# Allegro board RK_EXCAVATOR_MAIN_V12_20161114_FZBFINAL.brd (continued)
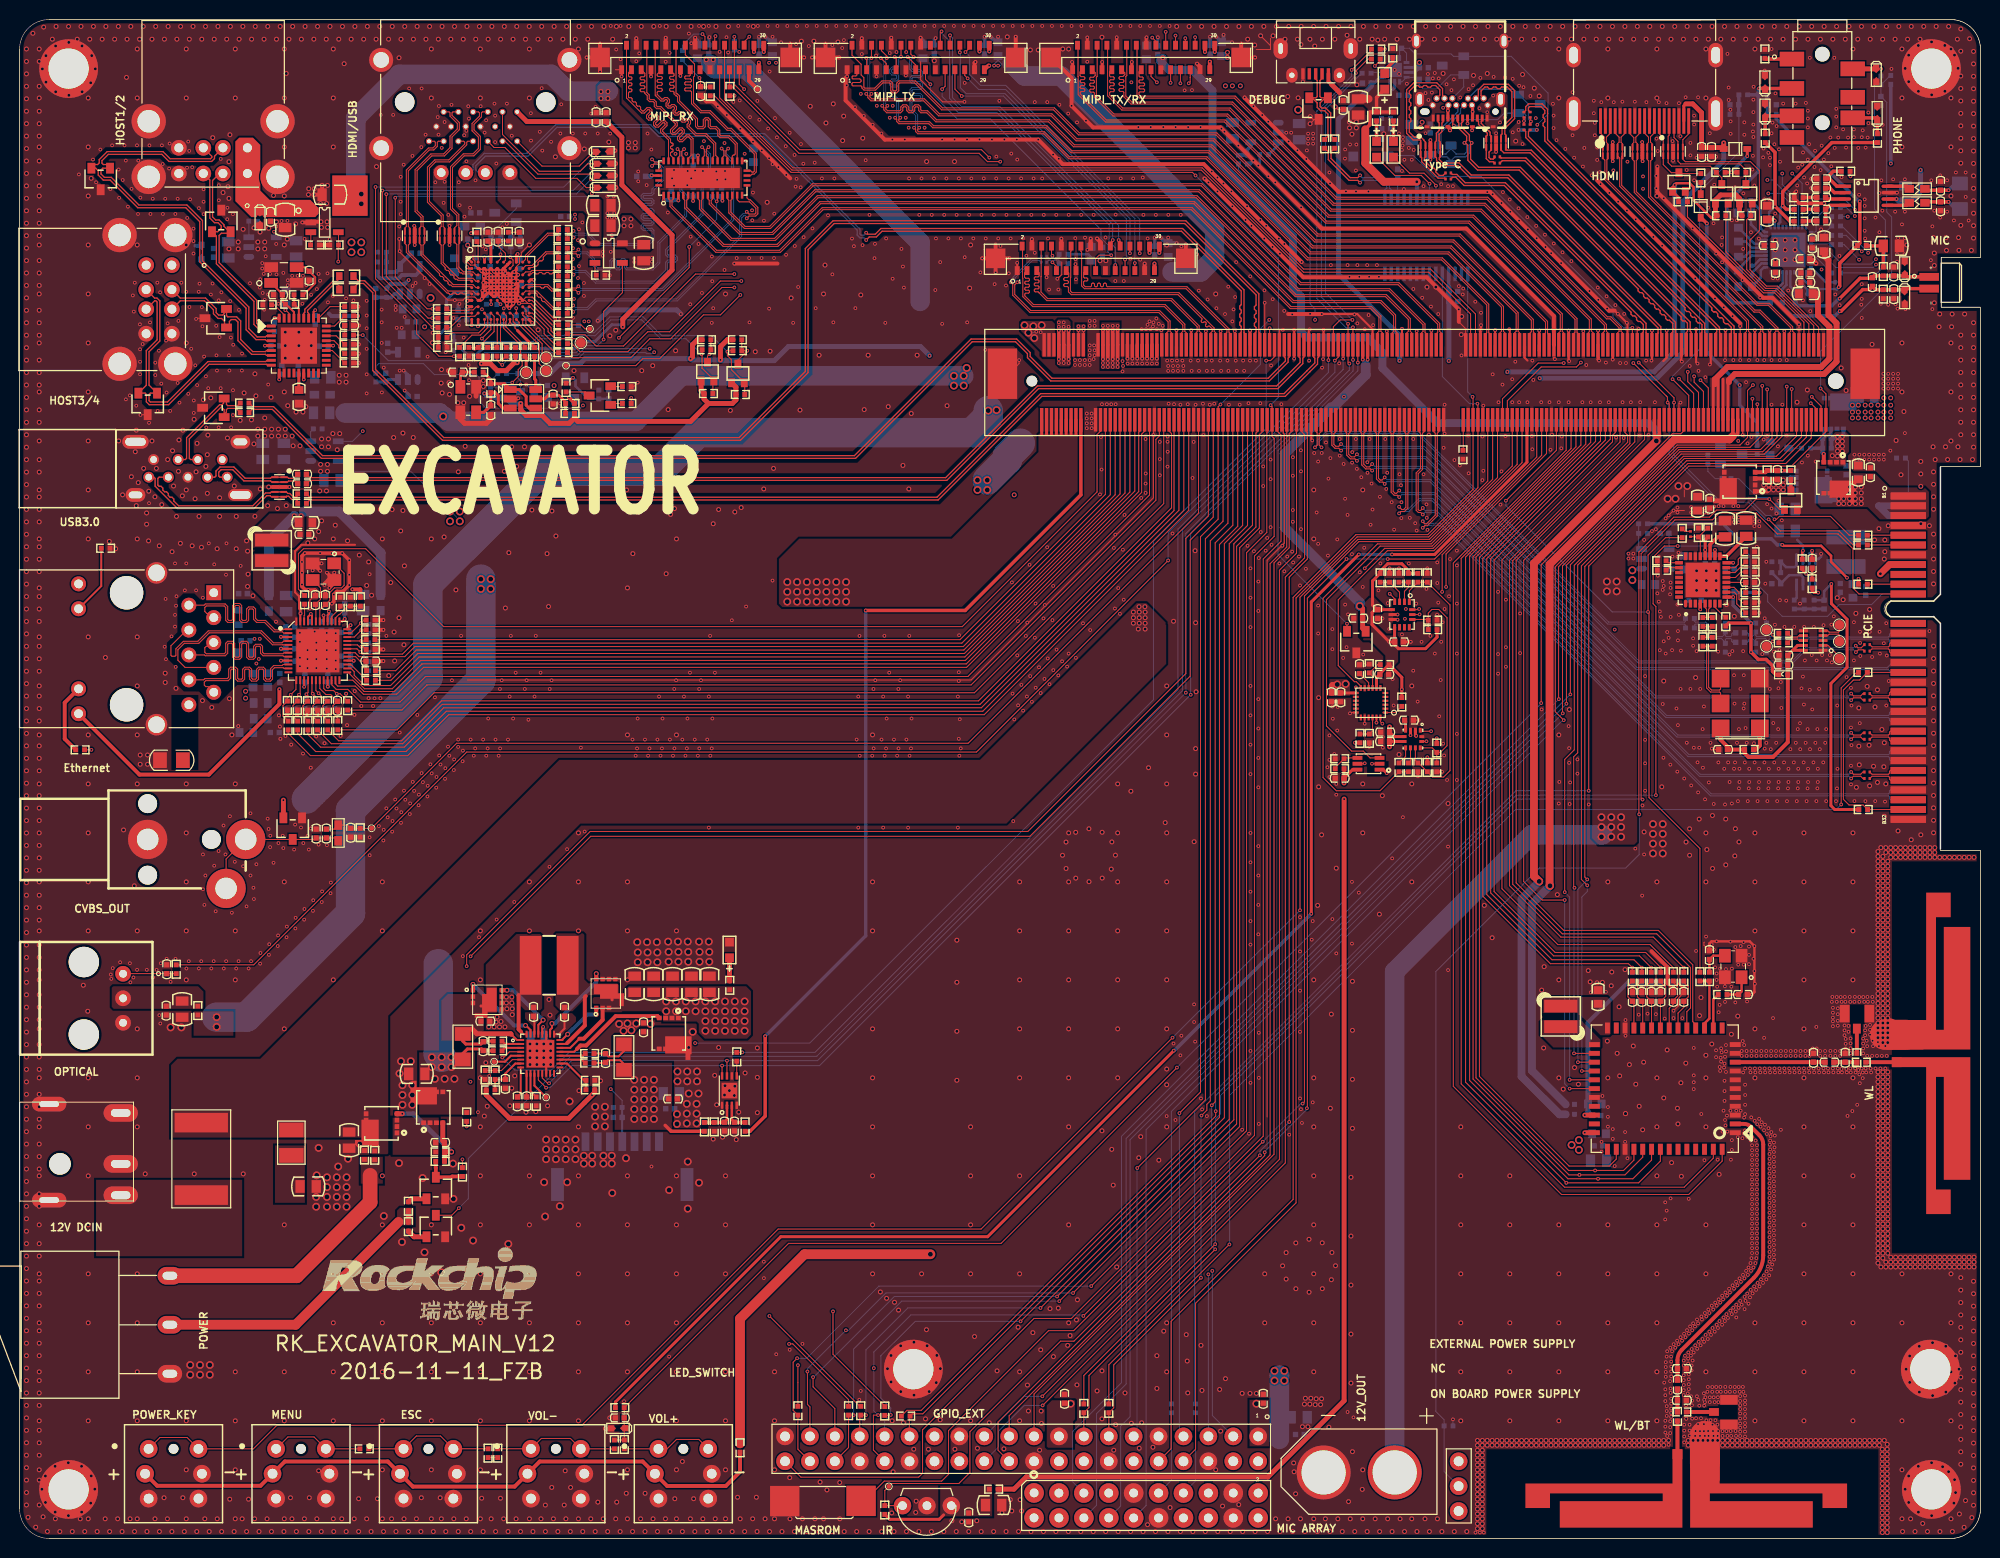
[diagram p0: board, top side]
## Footprints (pads in the part's own frame, mm; a bottom-side part is the same pattern mirrored in y, then rotated) (continued)
C0201
  rect 0.25x0.3 smd: 1(-0.275,0) 2(0.275,0)
C0402
  rect 0.55x0.55 smd: 1(-0.45,0) 2(0.45,0)
C0603
  rect 0.8x0.9 smd: 1(-0.7,0) 2(0.7,0)
C0805
  rect 0.95x1.3 smd: 1(-0.825,0) 2(0.825,0)
C1206
  rect 1.4x1.6 smd: 1(-1.168,0) 2(1.168,0)
CN3_2R54_DIP
  round 1.8 hole 1: 1(-2.54,0) 2(0,0) 3(2.54,0)
CNN20_2X10_1R27_P
  round 2 hole 0.9: 1(-11.43,1.279) 2(-11.43,-1.261) 3(-8.89,1.27) 4(-8.89,-1.27) 5(-6.35,1.27) 6(-6.35,-1.27) 7(-3.81,1.27) 8(-3.81,-1.27) 9(-1.27,1.27) 10(-1.27,-1.27) 11(1.27,1.27) 12(1.27,-1.27) 13(3.81,1.27) 14(3.81,-1.27) 15(6.35,1.27) 16(6.35,-1.27) 17(8.89,1.27) 18(8.89,-1.27) 19(11.43,1.27) 20(11.43,-1.27)
CNN30_1R00_FP05SL_V
  rect 0.5x0.9 smd: 1(-7.5,-1.25) 2(-7,1.25) 3(-6.5,-1.25) 4(-6,1.25) 5(-5.5,-1.25) 6(-5,1.25) 7(-4.5,-1.25) 8(-4,1.25) 9(-3.5,-1.25) 10(-3,1.25) 11(-2.5,-1.25) 12(-2,1.25) 13(-1.5,-1.25) 14(-1,1.25) 15(-0.5,-1.25) 16(0,1.25) 17(0.5,-1.25) 18(1,1.25) 19(1.5,-1.25) 20(2,1.25) 21(2.5,-1.25) 22(3,1.25) 23(3.5,-1.25) 24(4,1.25) 25(4.5,-1.25) 26(5,1.25) 27(5.5,-1.25) 28(6,1.25) 29(6.5,-1.25) 30(7,1.25)
  rect 2x2 smd: 31(-9.7,0) 32(9.7,0)
CNN40_2R54_DIP
  round 1.8 hole 1: 1(-24.115,-1.368) 2(-24.115,1.172) 3(-21.575,-1.368) 4(-21.575,1.172) 5(-19.035,-1.368) 6(-19.035,1.172) 7(-16.495,-1.368) 8(-16.495,1.172) 9(-13.955,-1.368) 10(-13.955,1.172) 11(-11.415,-1.368) 12(-11.415,1.172) 13(-8.875,-1.368) 14(-8.875,1.172) 15(-6.335,-1.368) 16(-6.335,1.172) 17(-3.795,-1.368) 18(-3.795,1.172) 19(-1.255,-1.368) 20(-1.255,1.172) 21(1.285,-1.368) 22(1.285,1.172) 23(3.825,-1.368) 24(3.825,1.172) 25(6.365,-1.368) 26(6.365,1.172) 27(8.905,-1.368) 28(8.905,1.172) 29(11.445,-1.368) 30(11.445,1.172) 31(13.985,-1.368) 32(13.985,1.172) 33(16.525,-1.368) 34(16.525,1.172) 35(19.065,-1.368) 36(19.065,1.172) 37(21.605,-1.368) 38(21.605,1.172) 39(24.145,-1.368) 40(24.145,1.172)
CRY4_3R20X2R50X0R80
  rect 1.4x1.2 smd: 1(-1.1,-0.85) 2(1.1,-0.85) 3(1.1,0.85) 4(-1.1,0.85)
CRY6_7R00X5R00X1R80
  rect 1.8x1.8 smd: 1(-2,2.54) 2(-2,0) 3(-2,-2.54) 4(2,-2.54) 5(2,0) 6(2,2.54)
CRY-D3225
  rect 1.4x1 smd: 1(-1.3,-0.8) 2(1.3,-0.8) 3(1.3,0.8) 4(-1.3,0.8)
DC3_DC_0007_5P
  oval 3.5x1.8 hole 2x0.8: 1(10.3,-3.2) 2(10.3,0) 3(10.3,5.2)
  round 2.2 hole 2.2: 4(4.1,0)
  oval 3.5x1.5 hole 2x0.6: 5(3,6.1) 6(3,-3.7)
DFN8_2R00X3R00X0R90
  oval 0.75x0.25 smd: 1(-1.5,0.75)
  rect 0.75x0.25 smd: 2(-1.5,0.25) 3(-1.5,-0.25) 4(-1.5,-0.75) 5(1.5,-0.75) 6(1.5,-0.25) 7(1.5,0.25) 8(1.5,0.75)
  rect 1.6x1.6 smd: 9(0,0)
DFN9L_3R00X3R00X0R80
  rect 0.45x0.45 smd: 1(-1.47,0.975) 2(-1.47,0.325) 3(-1.47,-0.325) 5(1.47,-0.975) 6(1.47,-0.325) 7(1.47,0.325) 8(1.47,0.975)
  custom 0.328x0.328 smd: 4(-0.635,-0.635)
  rect 1.036x2.45 smd: 9(0.435,0)
ESD0402
  custom 0.159x0.159 smd: 1(-0.635,-0.02) 2(0.622,0)
F8050
  rect 2x5.44 smd: 1(-3.7,0) 2(3.7,0)
HDMI_USB_29
  round 2 hole 2 unplated: (-11.925,-4) (2.475,-4)
  round 0.62 hole 0.4: 1(0,0) 2(-0.75,-1.5) 3(-1.5,0) 4(-1.5,-3) 5(-2.25,-1.5) 6(-3,-3) 7(-3,0) 8(-3.75,-1.5) 9(-4.5,0) 10(-4.5,-3) 11(-5.25,-1.5) 12(-6,-3) 13(-6,0) 14(-6.75,-1.5) 15(-7.5,0) 16(-7.5,-3) 17(-8.25,-1.5) 18(-9,-3) 19(-9,0)
  round 2.45 hole 1.6: 20(4.875,0.7) 21(-14.325,0.7) 22(4.875,-8.3) 23(-14.325,-8.3)
  round 1.524 hole 0.89: 26(-8.25,3.2) 27(-5.75,3.2) 28(-3.75,3.2) 29(-1.25,3.2)
HDMIA19_HDMI_01A
  rect 0.3x2.6 smd: 1(0,0) 2(0.5,0) 3(1,0) 4(1.5,0) 5(2,0) 6(2.5,0) 7(3,0) 8(3.5,0) 9(4,0) 10(4.5,0) 11(5,0) 12(5.5,0) 13(6,0) 14(6.5,0) 15(7,0) 16(7.5,0) 17(8,0) 18(8.5,0) 19(9,0)
  oval 1.5x3.5 hole 0.9x2.7: 20(11.75,0.76) 21(-2.75,0.76)
  oval 1.5x2.5 hole 0.9x1.7: 22(-2.75,6.72) 23(11.75,6.72)
HOLE_C4R10_C6R00
  round 6 hole 4.1: 1(0,0)
HSMT8_3R30X3R30X0R90
  rect 0.47x0.5 smd: 1(-1.575,0.975) 2(-1.575,0.325) 3(-1.575,-0.325) 4(-1.575,-0.975) 5(1.575,-0.975) 6(1.575,-0.325) 7(1.575,0.325)
  custom 0.604x0.604 smd: 8(1.499,0.975)
IJ3_IRM_3638
  round 1.778 hole 0.89: 1(-2.489,0) 2(0,0) 3(2.489,0)
IND_303012
  rect 3.4x1.3 smd: 1(0,1.05) 2(0,-1.05)
IND_303015
  rect 3.4x1.3 smd: 1(0,1.05) 2(0,-1.05)
IND_404030
  rect 1.5x4 smd: 1(-1.5,0) 2(1.5,0)
IND_606020
  rect 2.2x6 smd: 1(-1.9,0) 2(1.9,0)
L0402
  rect 0.5x0.5 smd: 1(-0.45,0) 2(0.45,0)
L0603
  rect 0.965x0.8 smd: 1(-0.8,0) 2(0.8,0)
LED0603
  rect 0.9x0.9 smd: 1(-0.8,0) 2(0.8,0)
LGA14L_2R50X3R00X0R86
  rect 0.65x0.3 smd: 1(-1.3,0.75) 2(-1.3,0.25) 3(-1.3,-0.25) 4(-1.3,-0.75) 8(1.3,-0.75) 9(1.3,-0.25) 10(1.3,0.25) 11(1.3,0.75)
  rect 0.3x0.65 smd: 5(-0.5,-1.05) 6(0,-1.05) 7(0.5,-1.05) 12(0.5,1.05) 13(0,1.05) 14(-0.5,1.05)
MD44_AP6XXX_13RX15RX1R5
  rect 0.5x1.125 smd: 1(-4.5,-7.187) 2(-3.6,-7.187) 3(-2.7,-7.187) 4(-1.8,-7.187) 5(-0.9,-7.187) 6(0,-7.187) 7(0.9,-7.187) 8(1.8,-7.187) 9(2.7,-7.187) 10(3.6,-7.187) 11(4.5,-7.187) 26(4.5,7.187) 27(3.6,7.187) 28(2.7,7.187) 29(1.8,7.187) 30(0.9,7.187) 31(0,7.187) 32(-0.9,7.187) 33(-1.8,7.187) 34(-2.7,7.187) 35(-3.6,7.187) 36(-4.5,7.187)
  rect 1.125x0.5 smd: 12(6.187,-5.85) 13(6.187,-4.95) 14(6.187,-4.05) 15(6.187,-3.15) 16(6.187,-2.25) 17(6.187,-1.35) 18(6.187,-0.45) 19(6.187,0.45) 20(6.187,1.35) 21(6.187,2.25) 22(6.187,3.15) 23(6.187,4.05) 24(6.187,4.95) 25(6.187,5.85) 37(-6.187,5.85) 38(-6.187,4.95) 39(-6.187,4.05) 40(-6.187,3.15) 41(-6.187,2.25) 42(-6.187,1.35) 43(-6.187,0.45) 44(-6.187,-0.45) 45(-6.187,-1.35) 46(-6.187,-2.25) 47(-6.187,-3.15) 48(-6.187,-4.05) 49(-6.187,-4.95) 50(-6.187,-5.85)
MIC-SMT2-4020
  rect 0.8x2 smd: 1(-0.6,-0.2) 2(0.6,-0.2)
MLP14_2R50X2R50X0R80
  rect 0.6x0.3 smd: 1(-1.21,0.5) 2(-1.21,0) 3(-1.21,-0.5) 8(1.21,-0.5) 9(1.21,0) 10(1.21,0.5)
  rect 0.3x0.6 smd: 4(-0.75,-1.21) 5(-0.25,-1.21) 6(0.25,-1.21) 7(0.75,-1.21) 11(0.75,1.21) 12(0.25,1.21) 13(-0.25,1.21) 14(-0.75,1.21)
  rect 1.45x1.45 smd: 15(0,0)
MSOP8_3R00X3R00X1R10
  rect 1.3x0.35 smd: 1(-2.2,0.975)
  oval 1.3x0.35 smd: 2(-2.2,0.325) 3(-2.2,-0.325) 4(-2.2,-0.975) 5(2.2,-0.975) 6(2.2,-0.325) 7(2.2,0.325) 8(2.2,0.975)
OFJ5_DQT_003
  round 3.1 hole 3.1 unplated: (-3.7,4) (3.7,4)
  round 1.6 hole 0.8: 1(2.5,0) 2(0,0) 3(-2.5,0)
OPLGA6_2R35X1R80X1R00
  rect 1x0.4 smd: 1(-1.125,0.6) 2(-1.125,0) 3(-1.125,-0.6) 4(1.125,-0.6) 5(1.125,0) 6(1.125,0.6)
PCIE12-64JBHF-XXX
  rect 0.7x3.6 smd: A1(271.78,561.34) A2(272.78,561.34) A3(273.78,561.34) A4(274.78,561.34) A5(275.78,561.34) A6(276.78,561.34) A7(277.78,561.34) A8(278.78,561.34) A9(279.78,561.34) A10(280.78,561.34) A11(281.78,561.34) A12(284.78,561.34) A13(285.78,561.34) A14(286.78,561.34) A15(287.78,561.34) A16(288.78,561.34) A17(289.78,561.34) A18(290.78,561.34) A19(291.78,561.34) A20(292.78,561.34) A21(293.78,561.34) A22(294.78,561.34) A23(295.78,561.34) A24(296.78,561.34) A25(297.78,561.34) A26(298.78,561.34) A27(299.78,561.34) A28(300.78,561.34) A29(301.78,561.34) A30(302.78,561.34) A31(303.78,561.34) A32(304.78,561.34) B1(271.78,561.34) B2(272.78,561.34) B3(273.78,561.34) B4(274.78,561.34) B5(275.78,561.34) B6(276.78,561.34) B7(277.78,561.34) B8(278.78,561.34) B9(279.78,561.34) B10(280.78,561.34) B11(281.78,561.34) B12(284.78,561.34) B13(285.78,561.34) B14(286.78,561.34) B15(287.78,561.34) B16(288.78,561.34) B17(289.78,561.34) B18(290.78,561.34) B19(291.78,561.34) B20(292.78,561.34) B21(293.78,561.34) B22(294.78,561.34) B23(295.78,561.34) B24(296.78,561.34) B25(297.78,561.34) B26(298.78,561.34) B27(299.78,561.34) B28(300.78,561.34) B29(301.78,561.34) B30(302.78,561.34) B31(303.78,561.34) B32(304.78,561.34)
PJ7_PJ3536
  round 1.5 hole 1.5 unplated: (3.5,0) (10.5,0)
  rect 1.5x2.5 smd: 1(4,-3.1) 2(7,-3.1) 3(9.8,-3.1) 4(12,-3.1) 5(5,3.1) 6(7.9,3.1) 7(10,3.1)
QFN24_3R00X3R00X0R90
  oval 0.6x0.225 smd: 1(-1.508,1)
  rect 0.6x0.225 smd: 2(-1.508,0.6) 3(-1.508,0.2) 4(-1.508,-0.2) 5(-1.508,-0.6) 6(-1.508,-1) 13(1.508,-1) 14(1.508,-0.6) 15(1.508,-0.2) 16(1.508,0.2) 17(1.508,0.6) 18(1.508,1)
  rect 0.225x0.6 smd: 7(-1,-1.508) 8(-0.6,-1.508) 9(-0.2,-1.508) 10(0.2,-1.508) 11(0.6,-1.508) 12(1,-1.508) 19(1,1.508) 20(0.6,1.508) 21(0.2,1.508) 22(-0.2,1.508) 23(-0.6,1.508) 24(-1,1.508)
QFN32_4R00X4R00X1R00_T
  rect 0.7x0.2 smd: 1(-2,1.4) 2(-2,1) 3(-2,0.6) 4(-2,0.2) 5(-2,-0.2) 6(-2,-0.6) 7(-2,-1) 8(-2,-1.4) 17(2,-1.4) 18(2,-1) 19(2,-0.6) 20(2,-0.2) 21(2,0.2) 22(2,0.6) 23(2,1) 24(2,1.4)
  rect 0.2x0.7 smd: 9(-1.4,-2) 10(-1,-2) 11(-0.6,-2) 12(-0.2,-2) 13(0.2,-2) 14(0.6,-2) 15(1,-2) 16(1.4,-2) 25(1.4,2) 26(1,2) 27(0.6,2) 28(0.2,2) 29(-0.2,2) 30(-0.6,2) 31(-1,2) 32(-1.4,2)
  rect 2.8x2.8 smd: 33(0,0)
QFN32_5R00X5R00X1R00_T
  oval 0.8x0.35 smd: 1(-2.415,1.75)
  rect 0.8x0.35 smd: 2(-2.415,1.25) 3(-2.415,0.75) 4(-2.415,0.25) 5(-2.415,-0.25) 6(-2.415,-0.75) 7(-2.415,-1.25) 8(-2.415,-1.75) 17(2.415,-1.75) 18(2.415,-1.25) 19(2.415,-0.75) 20(2.415,-0.25) 21(2.415,0.25) 22(2.415,0.75) 23(2.415,1.25) 24(2.415,1.75)
  rect 0.35x0.8 smd: 9(-1.75,-2.415) 10(-1.25,-2.415) 11(-0.75,-2.415) 12(-0.25,-2.415) 13(0.25,-2.415) 14(0.75,-2.415) 15(1.25,-2.415) 16(1.75,-2.415) 25(1.75,2.415) 26(1.25,2.415) 27(0.75,2.415) 28(0.25,2.415) 29(-0.25,2.415) 30(-0.75,2.415) 31(-1.25,2.415) 32(-1.75,2.415)
  rect 3.5x3.5 smd: 33(0,0)
QFN36L
  rect 0.9x0.3 smd: 1(-2.8,2) 2(-2.8,1.5) 3(-2.8,1) 4(-2.8,0.5) 5(-2.8,0) 6(-2.8,-0.5) 7(-2.8,-1) 8(-2.8,-1.5) 9(-2.8,-2) 19(2.8,-2) 20(2.8,-1.5) 21(2.8,-1) 22(2.8,-0.5) 23(2.8,0) 24(2.8,0.5) 25(2.8,1) 26(2.8,1.5) 27(2.8,2)
  rect 0.3x0.9 smd: 10(-2,-2.8) 11(-1.5,-2.8) 12(-1,-2.8) 13(-0.5,-2.8) 14(0,-2.8) 15(0.5,-2.8) 16(1,-2.8) 17(1.5,-2.8) 18(2,-2.8) 28(2,2.8) 29(1.5,2.8) 30(1,2.8) 31(0.5,2.8) 32(0,2.8) 33(-0.5,2.8) 34(-1,2.8) 35(-1.5,2.8) 36(-2,2.8)
  rect 3.7x3.7 smd: 37(0,0)
QFN40_5R00X5R00X1R00
  rect 0.45x0.25 smd: 1(-2.3,1.8) 2(-2.3,1.4) 3(-2.3,1) 4(-2.3,0.6) 5(-2.3,0.2) 6(-2.3,-0.2) 7(-2.3,-0.6) 8(-2.3,-1) 9(-2.3,-1.4) 10(-2.3,-1.8) 21(2.3,-1.8) 22(2.3,-1.4) 23(2.3,-1) 24(2.3,-0.6) 25(2.3,-0.2) 26(2.3,0.2) 27(2.3,0.6) 28(2.3,1) 29(2.3,1.4) 30(2.3,1.8)
  rect 0.25x0.45 smd: 11(-1.8,-2.3) 12(-1.4,-2.3) 13(-1,-2.3) 14(-0.6,-2.3) 15(-0.2,-2.3) 16(0.2,-2.3) 17(0.6,-2.3) 18(1,-2.3) 19(1.4,-2.3) 20(1.8,-2.3) 31(1.8,2.3) 32(1.4,2.3) 33(1,2.3) 34(0.6,2.3) 35(0.2,2.3) 36(-0.2,2.3) 37(-0.6,2.3) 38(-1,2.3) 39(-1.4,2.3) 40(-1.8,2.3)
  rect 3.5x3.5 smd: 41(0,0)
QFN42_9R00X3R50X0R80_T
  rect 0.25x0.7 smd: 1(-4,-1.75) 2(-3.5,-1.75) 3(-3,-1.75) 4(-2.5,-1.75) 5(-2,-1.75) 6(-1.5,-1.75) 7(-1,-1.75) 8(-0.5,-1.75) 9(0,-1.75) 10(0.5,-1.75) 11(1,-1.75) 12(1.5,-1.75) 13(2,-1.75) 14(2.5,-1.75) 15(3,-1.75) 16(3.5,-1.75) 17(4,-1.75) 22(4,1.75) 23(3.5,1.75) 24(3,1.75) 25(2.5,1.75) 26(2,1.75) 27(1.5,1.75) 28(1,1.75) 29(0.5,1.75) 30(0,1.75) 31(-0.5,1.75) 32(-1,1.75) 33(-1.5,1.75) 34(-2,1.75) 35(-2.5,1.75) 36(-3,1.75) 37(-3.5,1.75) 38(-4,1.75)
  rect 0.7x0.25 smd: 18(4.5,-0.75) 19(4.5,-0.25) 20(4.5,0.25) 21(4.5,0.75) 39(-4.5,0.75) 40(-4.5,0.25) 41(-4.5,-0.25) 42(-4.5,-0.75)
  rect 7.55x2.05 smd: 43(0,0)
QFN48_6R00X6R00X1R00_T
  oval 0.2x0.8 smd: 1(-2.2,-3)
  rect 0.2x0.8 smd: 2(-1.8,-3) 3(-1.4,-3) 4(-1,-3) 5(-0.6,-3) 6(-0.2,-3) 7(0.2,-3) 8(0.6,-3) 9(1,-3) 10(1.4,-3) 11(1.8,-3) 12(2.2,-3) 25(2.2,3) 26(1.8,3) 27(1.4,3) 28(1,3) 29(0.6,3) 30(0.2,3) 31(-0.2,3) 32(-0.6,3) 33(-1,3) 34(-1.4,3) 35(-1.8,3) 36(-2.2,3)
  rect 0.8x0.2 smd: 13(3,-2.2) 14(3,-1.8) 15(3,-1.4) 16(3,-1) 17(3,-0.6) 18(3,-0.2) 19(3,0.2) 20(3,0.6) 21(3,1) 22(3,1.4) 23(3,1.8) 24(3,2.2) 37(-3,2.2) 38(-3,1.8) 39(-3,1.4) 40(-3,1) 41(-3,0.6) 42(-3,0.2) 43(-3,-0.2) 44(-3,-0.6) 45(-3,-1) 46(-3,-1.4) 47(-3,-1.8) 48(-3,-2.2)
  rect 4.4x4.4 smd: 49(0,0)
R0201
  rect 0.25x0.3 smd: 1(-0.275,0) 2(0.275,0)
R0402
  rect 0.5x0.5 smd: 1(-0.45,0) 2(0.45,0)
R0603
  rect 0.65x0.8 smd: 1(-0.725,0) 2(0.725,0)
R1206
  rect 1.4x1.6 smd: 1(-1.3,0) 2(1.3,0)
R1210
  rect 1.5x2.5 smd: 1(-1.3,0) 2(1.3,0)
RCA
  round 1.927 hole 1.927 unplated: (-3.5,0) (3,3.65) (3,-3.65)
  round 4 hole 2.2: 1(3,0) 2(-5,5) 3(-7,0)
RJ45_HR911130C
  rect 1.524x1.524 hole 0.9: 1(5.72,-8.89)
  round 1.524 hole 0.9: 2(4.45,-6.35) 3(3.18,-8.89) 4(1.91,-6.35) 5(0.64,-8.89) 6(-0.63,-6.35) 7(-1.9,-8.89) 8(-3.17,-6.35) 9(-4.44,-8.89) 10(-5.71,-6.35) 11(6.625,4.9) 12(4.085,4.9) 13(-4.085,4.9) 14(-6.625,4.9)
  round 2.2 hole 1.7: 15(-7.745,-3.05) 16(7.745,-3.05)
  round 3.4 hole 3.4: 17(5.715,0) 18(-5.715,0)
SMT2_6R00X3R50X4R20
  rect 3.1x3 smd: 1(-0.219,-0.529) 2(-0.247,7.255)
SOD_123
  rect 1x1 smd: 1(-1.8,0) 2(1.8,0)
SOD_323
  rect 0.8x0.6 smd: 1(-1.2,0) 2(1.2,0)
SON10_2R50X1R00X0R50
  rect 0.2x0.68 smd: 1(-1,-0.437) 2(-0.5,-0.437) 4(0.5,-0.437) 5(1,-0.437) 6(1,0.437) 7(0.5,0.437) 9(-0.5,0.437) 10(-1,0.437)
  rect 0.4x0.75 smd: 3(0,-0.395) 8(0,0.395)
SOT_23
  rect 0.8x1.1 smd: 1(-0.95,-1.1) 2(0.95,-1.1) 3(0,1.1)
SOT_23_5
  oval 1.1x0.6 smd: 1(0,0)
  rect 1.1x0.6 smd: 2(0,-1) 3(0,-2) 4(2.8,-2) 5(2.8,0)
SOT_323
  rect 0.7x0.9 smd: 1(-0.65,-0.95) 2(0.65,-0.95) 3(0,0.95)
SSOP28_10R20X5R30X2R00
  rect 0.35x1.5 smd: 1(-4.225,-3.9) 2(-3.575,-3.9) 3(-2.925,-3.9) 4(-2.275,-3.9) 5(-1.625,-3.9) 6(-0.975,-3.9) 7(-0.325,-3.9) 8(0.325,-3.9) 9(0.975,-3.9) 10(1.625,-3.9) 11(2.275,-3.9) 12(2.925,-3.9) 13(3.575,-3.9) 14(4.225,-3.9) 15(4.225,3.9) 16(3.575,3.9) 17(2.925,3.9) 18(2.275,3.9) 19(1.625,3.9) 20(0.975,3.9) 21(0.325,3.9) 22(-0.325,3.9) 23(-0.975,3.9) 24(-1.625,3.9) 25(-2.275,3.9) 26(-2.925,3.9) 27(-3.575,3.9) 28(-4.225,3.9)
SW3-JT601-103AB2
  oval 1.8x2.5 hole 0.8x1.5: 1(-5,0) 2(0,0) 3(5,0)
SW6_10R00X10R00X8R80
  round 1 hole 1 unplated: (2.46,5)
  round 1.8 hole 1: 1(2.46,2.46) 2(2.46,7.54) 3(7.54,2.46) 4(7.54,7.54) 5(5,7.9) 6(5,2.1)
TDFN10_2R00X2R50X0R85
  rect 0.9x0.3 smd: 1(-1,1) 2(-1,0.5) 3(-1,0) 4(-1,-0.5) 5(-1,-1) 6(1,-1) 7(1,-0.5) 8(1,0) 9(1,0.5) 10(1,1)
TP_0R50
  round 0.5 smd: 1(0,0)
TP_1R00
  round 1 smd: 1(0,0)
TSOP6_3R00X3R10X1R10
  rect 0.7x1.3 smd: 1(0,0) 2(0.95,0) 3(1.9,0) 4(1.9,2.6) 5(0.95,2.6) 6(0,2.6)
TSOT_23_8
  oval 0.3x1.2 smd: 1(-0.975,-1.3)
  rect 0.3x1.2 smd: 2(-0.325,-1.3) 3(0.325,-1.3) 4(0.975,-1.3) 5(0.975,1.3) 6(0.325,1.3) 7(-0.325,1.3) 8(-0.975,1.3)
UB1112C-8FDH-4F
  round 1.6 hole 0.92: A1(-3.5,2.62) A2(-1,2.62) A3(1,2.62) A4(3.5,2.62) B1(-3.5,0) B2(-1,0) B3(1,0) B4(3.5,0)
  round 3.5 hole 2.3: H1(-6.57,2.97) H2(-6.57,-2.71) H3(6.57,-2.71) H4(6.57,2.97)
USB20MICRO5_WKD_1
  rect 1.15x0.35 smd: 1(2.585,1.3) 2(2.585,0.65) 3(2.585,0) 4(2.585,-0.65) 5(2.585,-1.3)
  oval 1.5x1.15 hole 0.55: 6(2.73,2.425) 7(2.73,-2.425)
  oval 2.1x1.45 hole 1.1x0.45: 8(0,3.575) 9(0,-3.575)
USB30A9_25R70X7R32X13R85
  round 1.1 hole 0.7: 1(-3.5,-0.9) 2(-1,-0.9) 3(1,-0.9) 4(3.5,-0.9) 5(4,0.9) 6(2,0.9) 7(0,0.9) 8(-2,0.9) 9(-4,0.9)
  oval 2.5x1.2 hole 2.1x0.8: 10(-5.35,2.71)
  oval 2x1.4 hole 1.4x0.7: 11(-5.35,-2.71) 13(5.35,2.71)
  oval 2.7x1.4 hole 2.1x0.8: 12(5.35,-2.71)
USB_TYPEC_115H0
  round 0.65 hole 0.65 unplated: (-3.6,9.2)
  oval 0.94x0.635 hole 0.94x0.635 unplated: (3.6,9.2)
  rect 0.3x0.7 smd: A1(-2.75,9.86) A2(-2.25,9.86) A3(-1.75,9.86) A4(-1.25,9.86) A5(-0.75,9.86) A6(-0.25,9.86) A7(0.25,9.86) A8(0.75,9.86) A9(1.25,9.86) A10(1.75,9.86) A11(2.25,9.86) A12(2.75,9.86)
  round 0.65 hole 0.4: B1(2.8,8.55) B2(2.4,7.85) B3(1.6,7.85) B4(1.2,8.55) B5(0.8,7.85) B6(0.4,8.55) B7(-0.4,8.55) B8(-0.8,7.85) B9(-1.2,8.55) B10(-1.6,7.85) B11(-2.4,7.85) B12(-2.8,8.55)
  oval 0.9x1.5 hole 0.483x1.092: E1(-4.47,2) E2(4.47,2) E3(-4.13,7.95) E4(4.13,7.95)
  rect 0.5x0.3 smd: E5(-3.37,10.75) E6(-1.25,10.75) E7(1.25,10.75) E8(3.38,10.75)
VFLGA12_2R00X2R00X1R00
  rect 0.5x0.3 smd: 1(-0.9,0.75) 2(-0.9,0.25) 3(-0.9,-0.25) 4(-0.9,-0.75) 7(0.9,-0.75) 8(0.9,-0.25) 9(0.9,0.25) 10(0.9,0.75)
  rect 0.3x0.5 smd: 5(-0.25,-0.9) 6(0.25,-0.9) 11(0.25,0.9) 12(-0.25,0.9)
XI60_PIN2
  round 5.5 hole 4.5: 1(-3.656,-0.007) 2(3.594,-0.007)

## Nets
12V_OUT: C8343.1 C8344.1 J8302.2(+) Q8305.5(DRAIN5) Q8305.6(DRAIN6) Q8305.7(DRAIN7) Q8305.8(DRAIN8)
12V_SWITCH: J9001.67 R89551.2
AVDD1V0_RGMII: C2612.1 C2613.1 C2614.1 C2619.1 C2620.1 FB2601.2 U2601.3(AVDD10_1) U2601.9(AVDD10_2) U2601.40(AVDD10)
AVDD3V3_RGMII: C2605.1 C2606.1 C2607.1 C2624.1 C2625.1 C2626.1 FB2602.2 R2629.1 R2635.1 U2601.6(AVDD33_1) U2601.41(AVDD33_2) U2601.44(VDDREG1) U2601.45(VDDREG2)
DVDD1V0_RGMII: C2615.1 C2616.1 C2632.1 C2633.1 FB2603.2 U2601.28(DVDD10_1) U2601.36(DVDD10_2)
DVDD3V3_RGMII: C2608.1 C2609.1 C2610.1 C2611.1 C2629.1 FB2604.2 J2601.14(Y+) R2603.2 R2605.2 R2607.2 R2609.2 R2612.2 R2614.2 R2616.2 R2618.2 R2624.1 R2625.1 R2626.1 R2628.1 U2601.15(DVDD33_1) U2601.21(DVDD33_2) U2601.37(DVDD33_3)
GND: ANT6101.2(GND1) ANT6101.3(GND2) ANT6102.2(GND) ANT6103.2(GND1) ANT6103.3(GND2) ANT6104.2(GND) BAT501.5(BAT4-) BAT501.6(BAT5-) BAT501.7(BAT6-) BAT501.8(GND1) BAT501.9(GND2) C501.2 C502.2 C504.2 C505.2 C508.2 C509.2 C511.2 C512.2 C513.2 C514.2 C516.1 C517.1 C518.2 C519.2 C520.2 C521.2 C522.2 C523.2 C905.2 C906.2 C908.2 C1401.2 C1402.2 C1403.2 C1404.2 C1405.2 C2503.2 C2509.2 C2510.2 C2601.2 C2602.2 C2603.2 C2604.2 C2605.2 C2606.2 C2607.2 C2608.2 C2609.2 C2610.2 C2611.2 C2612.2 C2613.2 C2614.2 C2615.2 C2616.2 C2617.1 C2618.1 C2619.2 C2620.2 C2624.2 C2625.2 C2626.2 C2627.2 C2628.2 C2629.2 C2630.2 C2631.2 C2632.2 C2633.2 C4501.2 C4502.1 C4601.2 C4602.2 C4603.2 C4604.2 C4605.2 C4606.2 C4607.2 C4608.2 C4609.2 C4610.2 C4611.2 C4612.2 C4613.2 C4701.2 C4702.2 C4703.2 C4704.2 C4705.2 C4706.2 C4707.2 C4708.2 C5003.2 C5004.2 C5005.2 C5006.2 C6102.2 C6103.2 C6105.2 C6106.2 C6107.1 C6108.1 C6109.1 C6110.1 C6111.1 C6112.2 C6113.2 C6114.1 C6115.2 C6116.2 C6117.2 C6118.2 C6119.2 C6120.2 C7101.1 C7105.2 C7106.2 C7110.2 C7111.2 C7112.2 C7113.2 C7114.2 C7115.2 C7116.2 C7117.2 C7118.2 C7119.1 C7120.1 C7121.2 C7122.1 C7123.2 C7125.1 C7127.2 C7129.2 C7130.2 C7131.2 C8001.1 C8002.2 C8003.1 C8004.1 C8005.1 C8006.1 C8007.2 C8008.2 C8009.1 C8010.1 C8011.2 C8101.2 C8301.2 C8302.2 C8314.2 C8315.2 C8316.2 C8317.2 C8318.2 C8319.2 C8320.2 C8321.2 C8322.2 C8324.2 C8325.2 C8326.2 C8327.2 C8328.2 C8329.2 C8330.2 C8331.2 C8332.2 C8337.2 C8341.2 C8343.2 C8344.2 C8502.2 C8503.1 C8504.1 C8505.2 C8506.1 C8507.2 C8508.2 C8509.2 C8510.1 C8512.2 C8513.2 C8515.2 C8516.1 C8517.1 C8518.1 C8519.1 C8520.1 C8521.1 C8522.1 C8525.1 C8526.1 C8527.1 C8528.1 C8901.2 C8902.2 C8903.2 C8905.2 C8906.2 C8907.1 C8909.2 C8910.2 C8911.1 C8912.1 C8913.1 C8914.1 C8915.1 C8916.1 C8917.1 C8918.1 C8919.1 C8924.2 C8925.2 C8926.2 C8928.2 C8930.2 C8939.2 C8940.2 C8941.2 C8942.2 C8943.2 C8944.2 C8945.2 C8946.2 C8947.2 C8948.2 C9002.2 C9003.2 C9004.2 C9005.2 C9006.2 C9007.2 C9008.2 C9009.2 C9010.2 C9011.2 C50035.1 C50037.2 C50038.2 C50040.1 C50042.2 C50056.2 C50057.2 C50059.2 C50062.2 C50063.1 C50064.2 C50066.2 C90046.2 C90047.2 CON8901.4(GND#4) CON8901.7(GND#7) CON8901.10(SHELL1) CON8901.11(SHELL2) CON8901.12(SHELL3) CON8901.13(SHELL4) D8901.1(ANODE) D9001.1(A1) ED2500.2 ED2501.2 ED7101.2 ED7102.2 ED7103.2 ED7104.2 ED8101.2 ED8501.2 ED8502.2 ED8503.2 ED8504.2 ED8901.2 ED8902.2 H501.1 H502.1 H503.1 H504.1 H508.1 H509.1 IR9001.2 J508.2 J508.3 J508.5 J508.6 J1400.5(GND) J1400.6(G1) J1400.7(G2) J1400.8(G3) J1400.9(G4) J2601.15 J2601.16 J4501.2 J4501.5 J4501.8 J4501.11 J4501.17 J4501.20 J4501.21 J4501.22 J4501.23 J4601.1(GND_0) J4601.4(GND_1) J4601.7(GND_2) J4601.10(GND_3) J4601.13(GND_4) J4601.16(GND_5) J4601.31(GND_7) J4601.32(GND_8) J4701.1(GND_0) J4701.4(GND_1) J4701.7(GND_2) J4701.10(GND_3) J4701.13(GND_4) J4701.16(GND_5) J4701.27(GND_7) J4701.31(GND_8) J4701.32(GND_9) J4702.1(GND_0) J4702.4(GND_1) J4702.7(GND_2) J4702.10(GND_3) J4702.13(GND_4) J4702.16(GND_5) J4702.27(GND_7) J4702.31(GND_8) J4702.32(GND_9) J5001.1(GND_0) J5001.4(GND_1) J5001.7(GND_2) J5001.10(GND_3) J5001.13(GND_4) J5001.16(GND_5) J5001.18(GND_6) J5001.27(GND_7) J5001.31(GND_8) J5001.32(GND_9) J7101.9 J7101.12 J7101.17 J7101.18 J7102.3(VIN) J8301.A4(GND_A4) J8301.A12(GND_A12) J8301.A15(GND_A15) J8301.A18(GND_A18) J8301.A20(GND_A20) J8301.A23(GND_A23) J8301.A24(GND_A24) J8301.A27(GND_A27) J8301.A28(GND_A28) J8301.A31(GND_A31) J8301.B4(GND_B4) J8301.B7(GND_B7) J8301.B13(GND_B13) J8301.B16(GND_B16) J8301.B18(GND_B18) J8301.B21(GND_B21) J8301.B22(GND_B22) J8301.B25(GND_B25) J8301.B26(GND_B26) J8301.B29(GND_B29) J8301.B32(GND_B32) J8302.1(-) J8501.2(GND2) J8501.5(GND7) J8501.8(GND3) J8501.11(GND4) J8501.17(GND5) J8501.20(VSS1) J8501.21(VSS2) J8501.22(VSS3) J8501.23(VSS4) J8501.29(GND6) J8901.A4(GND_A) J8901.B4(GND_B) J8901.H1(GND_0) J8901.H2(GND_1) J8901.H3(GND_2) J8901.H4(GND_3) J8902.A4(GND_A) J8902.B4(GND_B) J8902.H1(GND_0) J8902.H2(GND_1) J8902.H3(GND_2) J8902.H4(GND_3) J8903.A1(GND1) J8903.A12(GND2) J8903.B1(GND3) J8903.B12(GND4) J8903.E1(GND_E1) J8903.E2(GND_E2) J8903.E3(GND_E3) J8903.E4(GND_E4) J8903.E5(GND_E5) J8903.E6(GND_E6) J8903.E7(GND_E7) J8903.E8(GND_E8) J9001.14 J9001.19 J9001.20 J9001.30 J9001.43 J9001.46 J9001.52 J9001.58 J9001.59 J9001.63 J9001.64 J9001.70 J9001.76 J9001.82 J9001.88 J9001.94 J9001.95 J9001.100 J9001.106 J9001.107 J9001.112 J9001.113 J9001.119 J9001.125 J9001.131 J9001.132 J9001.137 J9001.138 J9001.143 J9001.144 J9001.149 J9001.150 J9001.155 J9001.156 J9001.161 J9001.162 J9001.165 J9001.168 J9001.171 J9001.174 J9001.180 J9001.186 J9001.191 J9001.192 J9001.198 J9001.199 J9001.203 J9001.204 J9001.210 J9001.216 J9001.222 J9001.228 J9001.232 J9001.235 J9001.238 J9001.239 J9001.244 J9001.245 J9001.250 J9001.251 J9001.256 J9001.262 J9001.268 J9001.274 J9001.277 J9001.280 J9001.286 J9001.292 J9001.298 J9001.308 J9001.355(GNDPAD1) J9001.356(GNDPAD2) J9002.6(GND4) J9002.9(GND1) J9002.14(GND5) J9002.20(GND6) J9002.25(GND2) J9002.30(GND7) J9002.34(GND8) J9002.39(GND3) J9003.1(G) LED501.2(CATHODE) Q503.5(S2_3) Q503.6(S2_2) Q503.7(S2_1) Q504.5(S2_3) Q504.6(S2_2) Q504.7(S2_1) Q506.2(EMITTER) Q507.2(EMITTER) Q8303.2(EMITTER) Q8304.2(SOURCE) Q8307.2(SOURCE) R508.2 R518.2 R520.1 R521.2 R522.2 R909.2 R910.2 R1403.2 R2237.1 R2504.2 R2602.1 R2604.1 R2606.1 R2608.1 R2611.1 R2613.1 R2615.1 R2617.1 R2630.2 R2631.2 R2636.1 R4604.2 R5001.1 R7106.2 R7118.1 R7125.1 R7127.2 R8006.1 R8007.1 R8010.1 R8011.1 R8013.2 R8015.2 R8018.1 R8019.1 R8021.2 R8304.1 R8305.1 R8312.2 R8313.2 R8314.2 R8320.1 R8322.1 R8323.1 R8324.1 R8325.1 R8326.1 R8327.1 R8334.1 R8336.2 R8507.2 R8526.1 R8532.1 R8537.1 R8539.1 R8546.2 R8902.2 R8908.2 R8909.2 R8910.1 R8911.1 R8912.1 R8913.1 R8915.2 R8921.2 R8923.2 R8926.2 R8927.2 R8933.1 R8963.2 R9012.2 R9013.2 R9020.2 R9025.2 R89540.1 R89544.2 R89550.2 S501.3(P3) SW2.2 U501.14(CMPIN) U501.27(PGND) U501.33(EPAD) U900.4(GND) U1401.7(GND1) U1401.18(GND2) U1401.21(GND3) U1401.25(AGND) U1401.26(TEST) U1402.3 U2601.47(GND) U2601.49(GND(EPAD)) U4501.3(GND1) U4501.8(GND2) U4502.3(GND1) U4502.8(GND2) U4503.3(GND1) U4503.8(GND2) U4601.43(E-PAD) U6101.1(GND_1) U6101.3(GND_2) U6101.4(GND_3) U6101.5(GND_4) U6101.6(GND_5) U6101.7(GND_6) U6101.8(GND_7) U6101.10(GND_8) U6101.11(GND_9) U6101.23(GND_10) U6101.32(GND_11) U6101.39(GND_12) U7101.10(AGND1) U7101.41(PAD) U7102.7(GND) U8001.2(RES2) U8001.3(GND) U8001.12(RES1) U8002.11(FSYNC) U8002.18(GND) U8002.20(RESV2) U8003.6(GND2) U8003.7(GND1) U8004.3(GND) U8005.1(GND) U8101.3(KEY3) U8101.4(KEY4) U8101.5(LED-) U8102.3(KEY3) U8102.4(KEY4) U8102.5(LED-) U8104.3(KEY3) U8104.4(KEY4) U8104.5(LED-) U8105.3(KEY3) U8105.4(KEY4) U8105.5(LED-) U8301.1(VSS1) U8301.6(VSS2) U8302.22(GND1) U8302.33(GNDPAD) U8303.2(GND) U8502.2(GND) U8503.A7(VSS1) U8503.B2(VSS2) U8503.B3(VSS3) U8503.B4(VSS4) U8503.B5(VSS5) U8503.B6(VSS6) U8503.B8(VSS7) U8503.D4(VSS8) U8503.D5(VSS9) U8503.D6(VSS10) U8503.D7(VSS11) U8503.D9(VSS12) U8503.E4(VSS13) U8503.E5(VSS14) U8503.E6(VSS15) U8503.E7(VSS16) U8503.F4(VSS17) U8503.F5(VSS18) U8503.F6(VSS19) U8503.F7(VSS20) U8503.G2(VSS21) U8503.G6(VSS22) U8503.G7(VSS23) U8503.G9(VSS24) U8503.J8(VSS25) U8504.3(GND1) U8504.8(GND2) U8505.3(GND1) U8505.8(GND2) U8901.2(GND) U8902.3 U8903.3 U8904.11(TEST) U8904.37(GND) U8905.2(GND) U8906.3 U8907.3 U8909.3 U8911.2(GND) U8912.2(GND) U8913.2(GND) U8914.9(GND) U8914.15(EPAD) U8916.3(GND) U8917.3(KEY3) U8917.4(KEY4) U8917.5(LED-) U23031.2(GND) U23033.1(CTG) U23033.4(GND) U23033.6(QSTRT) U23033.9(GNDPAD) U90004.3(GND1) U90004.8(GND2) U90005.3(GND1) U90005.8(GND2) U90006.3(GND1) U90006.8(GND2) U90007.3 U90008.3 U90009.3 U90010.2(GND) Y2601.2(GND1) Y2601.4(GND2) Y6101.2(GND1) Y6101.4(GND2) Y8501.2(GND2) Y8501.4(GND1) Y8901.2(GND2) Y8901.4(GND1)
VBUS_TYPEC: C8945.1 C8947.1 C8948.1 C90046.1 J8903.A4(VBUS_1) J8903.A9(VBUS_2) J8903.B4(VBUS_3) J8903.B9(VBUS_4) R8930.1 U8914.2(VBUS) U90010.1(VOUT)
VCC1V8_S3: C4701.1 C4702.1 C4703.1 C4706.1 J4701.19(VCC_IO) J4702.19(VCC_IO) J9001.241 J9001.243 R9022.1
VCC3V3_FT232_U2: C1403.1 U1401.17(VO-3V3)
VCC3V3_S3: C2627.1 C2628.1 C4603.1 C4604.1 C4606.1 C4607.1 C4608.1 C4609.1 C4610.1 C4611.1 C4612.1 C4613.1 C5003.1 C5004.1 C8002.1 C8003.2 C8004.2 C8005.2 C8006.2 C8009.2 C8010.2 C8011.1 D9001.2(A2) FB2602.1 FB2604.1 J4601.19(VCC_IO) J5001.19(VCC_IO) J9001.8 J9001.10 J9001.12 R5002.2 R8003.2 R8004.1 R8005.2 R8008.2 R8009.2 R8012.2 R8014.2 R8016.2 R8017.2 R8020.2 R9011.1 U4601.1(VCC1) U4601.4(VCC2) U4601.7(VCC3) U4601.13(VCC4) U4601.22(VCC5) U4601.31(VCC6) U4601.40(VCC7) U8001.5(VDD) U8001.6(VDD_IO) U8002.8(VDDIO) U8002.13(VDD) U8003.5(VDDIO) U8003.8(VDD) U8005.6(VDD)
VCC3V3_S5: J9001.17 R2234.2
VCC3V3_SYS: C6116.1 C6119.1 C6120.1 C8911.2 C8926.1 C9006.1 C9007.1 C50038.1 C50062.1 C50065.1 D4502.1(A) J8303.3 J9001.2 J9001.4 J9001.6 J9002.1(3V3-1) J9002.17(3V3-2) L8901.2 Q8505.2(SOURCE) R8331.2 R9015.1 R89541.1 U6101.36(VBAT) U8911.1(IN) U8914.4(VDD) U23031.1(IN)